# Allegro board LAY-27392_C.brd (continued)
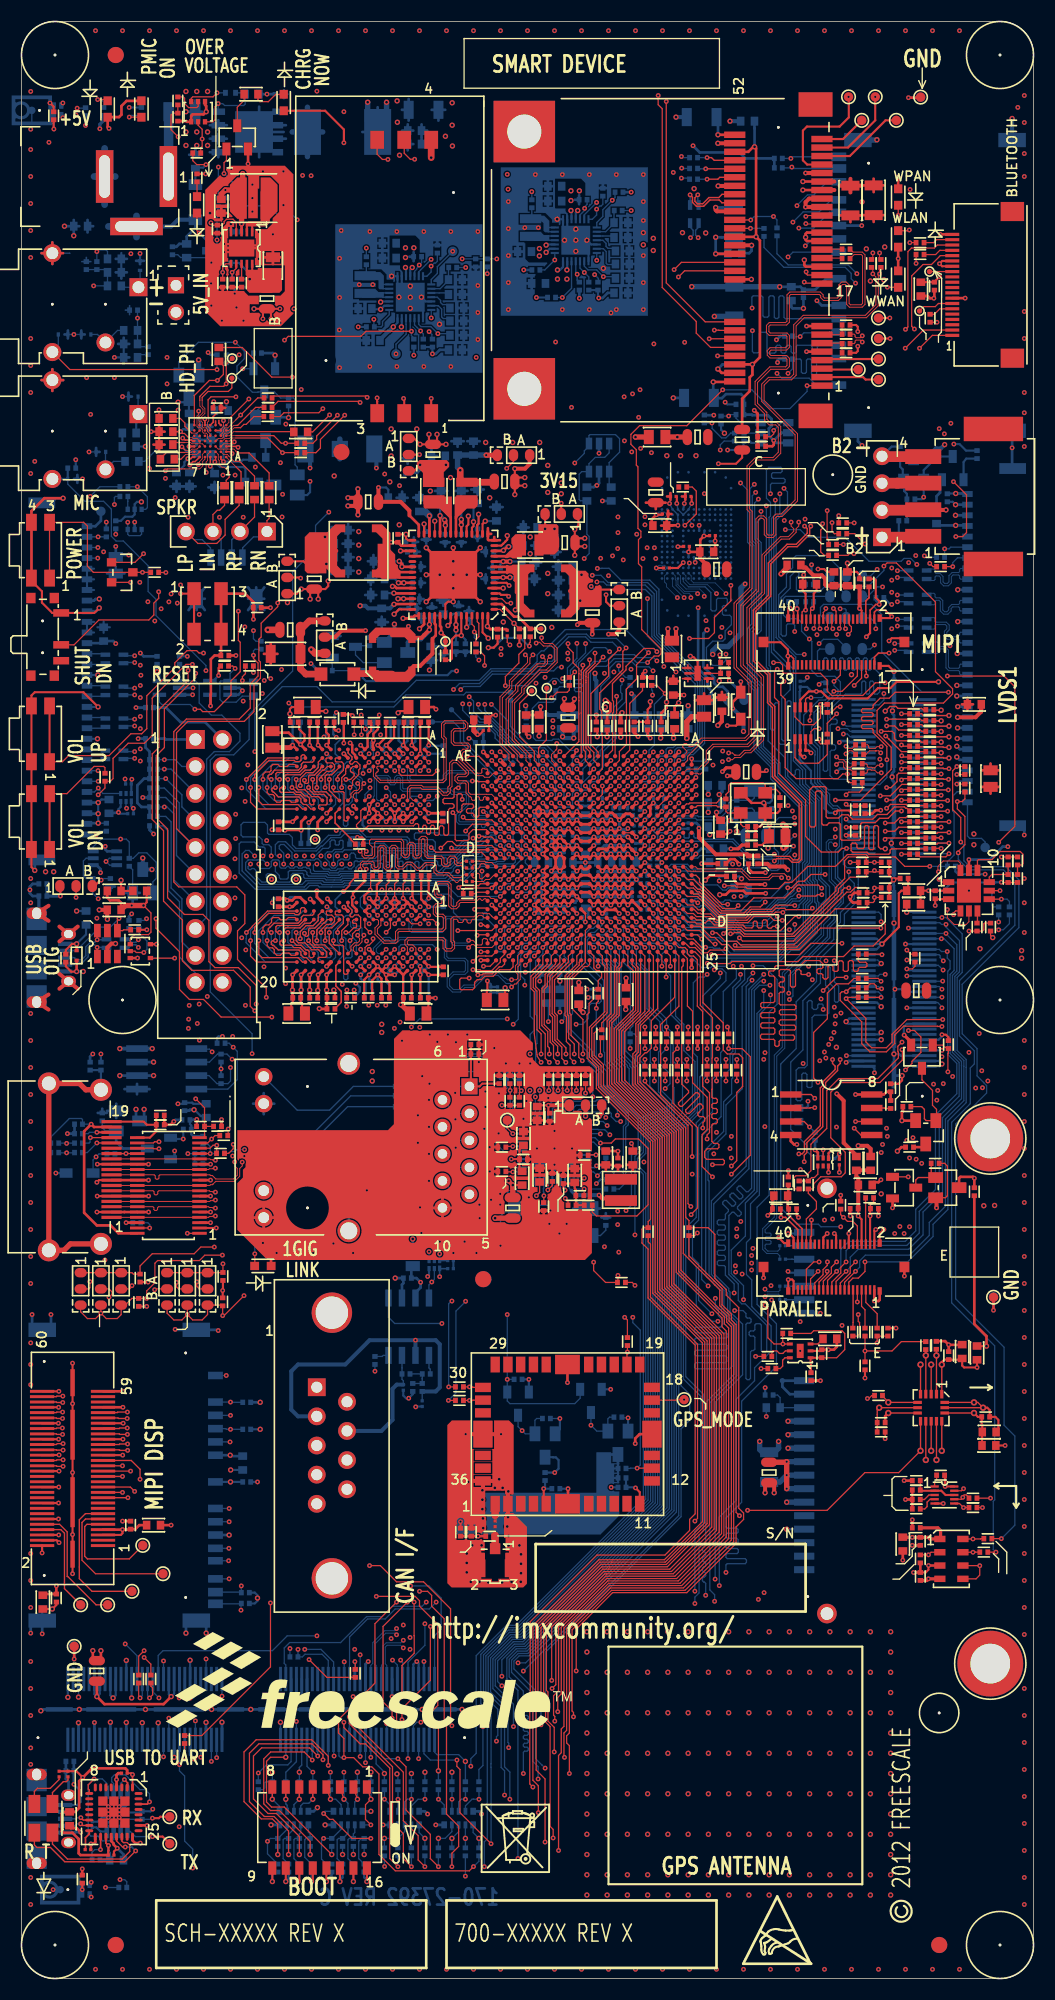
[diagram p0: board, top side]
## Routing (per net, layer and track width the routed paths; a pad name or vN(x,y) marks a point on that pad's centre or on a via; arc(x,y) is an arc through that point) (continued)
DSP0_DAT19: length 96.8
  TOP w0.127: v1(81.33,116.91) 81.63,116.61 81.63,116.61 82.8,115.44 R57.1
  TOP w0.178: U1.U23 v1(49.87,97.01)
  L3_INT_1 w0.114: v1(81.33,116.91) 81.62,117.2 81.62,117.21 82.11,117.7 82.54,117.7 82.64,117.6 83.52,117.6 83.93,117.19 83.93,117.03 83.76,116.86 83.76,116.7 83.92,116.54 84.08,116.54 84.25,116.71 84.41,116.71 84.57,116.54 84.57,116.38 84.4,116.21 84.4,116.05 84.57,115.89 84.73,115.89 84.9,116.06 85.06,116.06 85.23,115.89 85.23,115.39 85.04,115.2 84.9,115.2 83.23,116.87 83.23,117.09 82.96,117.35 82.64,117.35 81.29,116 81.29,115.21 81.41,115.09 81.67,115.09 82.2,114.55 82.2,113.89 82.07,113.77 81.84,113.77 81.74,113.87 81.74,114.12 81.61,114.25 81.42,114.25 81.29,114.12 81.29,113.29 81.05,113.04 80.67,113.04 80.49,113.22 80.49,113.41 80.38,113.53 80.22,113.53 80.04,113.35 80.04,113.19 80.11,113.12 80.11,112.96 79.95,112.79 79.79,112.79 79.72,112.86 79.56,112.86 79.4,112.7 79.4,112.54 79.47,112.47 79.47,112.31 79.3,112.15 79.14,112.15 79.07,112.22 78.91,112.22 78.67,111.97 78.67,101.44 77.34,100.11 77.34,100.11 74.67,97.44 74.67,94.28 74.81,94.14 74.81,93.82 74.39,93.4 74.39,90.7 75.32,89.78 75.32,87.63 75.56,87.38 v1(75.56,87.18)
  L6_INT_2 w0.114: v1(49.87,97.01) 49.87,96.73 49.73,96.6 49.57,96.6 49.45,96.48 49.45,96.32 49.54,96.23 50.29,96.23 50.65,95.88 50.65,95.63 50.39,95.38 50.39,94.87 50.65,94.61 50.65,94.41 50.52,94.28 50.11,94.28 49.99,94.41 49.99,95.71 49.86,95.83 49.63,95.83 49.5,95.71 49.5,94.06 49.86,93.7 49.86,93.3 49.61,93.04 49.61,92.84 49.78,92.66 49.78,91.44 49.9,91.32 50.18,91.32 50.29,91.43 50.29,93.21 50.39,93.32 50.55,93.32 50.65,93.21 50.65,91.81 51.22,91.25 52.18,91.25 52.4,91.03 52.4,90.75 53.15,90 56.3,90 57.51,88.8 58.3,88.8 58.52,89.01 58.94,89.01 59.13,88.82 59.24,88.82 59.42,89 67.7,89 68.76,87.94 70.3,87.94 71.1,87.14 74.04,87.14 74.29,86.89 74.47,86.89 74.76,87.18 v1(75.56,87.18)
DSP0_DAT20: length 93.1
  TOP w0.127: R56.1 82.93,115.95 82.82,116.07 v1(82.8,116.07)
  TOP w0.178: U1.U22 50.27,98.21 v1(49.87,97.81)
  L3_INT_1 w0.114: v1(75.69,86.61) 75.95,86.87 75.95,87.37 75.53,87.78 75.53,89.87 74.61,90.79 74.61,93.31 75.03,93.73 75.03,94.23 74.89,94.36 74.89,97.35 77.56,100.02 77.56,100.02 78.89,101.35 78.89,111.7 79.04,111.86 79.48,111.86 79.71,112.09 79.71,112.34 79.86,112.5 80.11,112.5 80.44,112.83 80.87,112.83 80.92,112.78 80.92,112.57 81.05,112.44 81.4,112.44 81.51,112.55 81.51,113.46 81.58,113.54 81.8,113.54 81.86,113.47 82.26,113.47 82.42,113.63 82.42,114.94 82.31,115.05 82.08,115.05 81.97,115.16 81.97,115.39 81.86,115.49 81.86,115.67 81.97,115.77 82.35,115.77 82.43,115.85 82.43,116.05 82.16,116.32 82.16,116.39 82.39,116.63 82.59,116.63 82.64,116.58 82.71,116.51 82.95,116.51 83.39,116.08 83.39,115.93 83.31,115.85 83.02,115.85 v1(82.8,116.07)
  L6_INT_2 w0.114: v1(75.69,86.61) 75.56,86.74 75.29,86.74 75.1,86.93 74.9,86.93 74.8,86.82 74.8,86.74 74.65,86.59 74.29,86.59 73.95,86.93 71.01,86.93 70.21,87.73 68.56,87.73 67.54,88.75 59.48,88.75 59.3,88.58 59.06,88.58 58.85,88.8 58.61,88.8 58.39,88.58 57.42,88.58 56.21,89.79 53.06,89.79 52.09,90.75 52.09,90.93 51.99,91.03 51.13,91.03 50.84,91.32 50.51,91.32 50.05,90.86 49.68,90.86 49.51,91.03 49.51,92.13 49.44,92.2 49.34,92.2 49.26,92.13 49.26,90.59 49.19,90.52 49.09,90.52 49.02,90.59 49.02,92.13 48.95,92.2 48.85,92.2 48.78,92.13 48.78,90.59 48.71,90.52 48.61,90.52 48.54,90.59 48.54,92.13 48.47,92.2 48.37,92.2 48.3,92.13 48.3,90.59 48.23,90.52 47.99,90.52 47.84,90.67 47.84,92.48 48.83,93.47 48.94,93.47 49.28,93.81 49.28,95.78 49.15,95.91 48.99,95.91 48.87,95.78 48.87,94.34 48.77,94.24 48.63,94.24 48.48,94.39 48.48,95.88 48.65,96.05 48.65,96.43 48.74,96.52 49.12,96.52 49.45,96.85 49.45,97.16 49.87,97.57 v1(49.87,97.81)
DSP0_DAT21: length 95.8
  TOP w0.119: U1.T20 51.07,99.81 v1(50.67,99.41)
  TOP w0.127: R54.1 84.68,116.33 84.55,116.46 82.37,116.46 82.14,116.69 82.14,117.14 81.94,117.35 v1(80.9,117.35)
  L3_INT_1 w0.114: v1(74.07,95.25) 74.07,95.33 74.24,95.5 74.24,95.68 73.94,95.99 73.94,96.14 74.24,96.44 74.24,97.62 76.69,100.07 76.69,100.39 77.43,101.13 77.43,102.85 77.6,103.02 77.9,103.02 78.02,103.14 78.02,103.36 77.9,103.48 77.6,103.48 77.46,103.61 77.46,104.3 77.67,104.5 77.67,104.76 77.47,104.95 77.47,105.19 78.24,105.96 78.24,112.15 79.95,113.86 79.95,114.5 80.06,114.61 80.13,114.61 80.24,114.72 80.24,114.87 80.13,114.98 80.06,114.98 79.95,115.09 79.95,115.24 80.06,115.35 80.26,115.35 80.37,115.46 80.37,115.61 80.26,115.72 80.06,115.72 79.95,115.82 79.95,116.22 80.08,116.35 80.77,116.35 80.87,116.46 80.87,116.62 80.77,116.72 79.96,116.72 79.83,116.85 79.83,117.22 79.96,117.35 v1(80.9,117.35)
  L6_INT_2 w0.114: v1(74.07,95.25) 74.07,95.93 73.9,96.1 73.9,97.77 73.9,98.29 73.74,98.45 73.74,106.43 73.61,106.55 73.29,106.55 73.16,106.43 73.16,106.3 72.96,106.1 72.36,106.1 72.24,105.98 72.24,105.36 72.36,105.23 72.97,105.23 73.16,105.05 73.16,102.99 72.76,102.6 72.76,101.82 72.62,101.68 72.62,101.48 72.75,101.35 73.18,101.35 73.3,101.23 73.3,100.58 73.18,100.46 72.64,100.46 72.52,100.33 72.52,99.75 72.69,99.57 72.97,99.57 72.99,99.55 73.28,99.55 73.41,99.43 73.41,98.63 73.28,98.5 72.62,98.5 72.42,98.3 72.42,98.3 72.14,98.01 72.14,93.45 72.65,92.93 72.65,91.96 72.42,91.74 69.52,91.74 68.09,93.16 63.2,93.16 61.54,94.82 60.86,94.82 60.68,95 60.68,95.41 60.68,95.41 60.68,95.78 60.05,96.42 56.92,96.42 56.65,96.69 56.65,97.97 56.43,98.2 56.13,98.2 55.85,98.47 55.85,101.22 55.68,101.4 52.91,101.4 51.85,100.35 51.85,100.05 51.63,99.82 51.08,99.82 v1(50.67,99.41)
DSP0_DAT22: length 96.1
  TOP w0.119: U1.V24 49.07,96.21 49.07,95.42 47.95,94.3 47.95,93.16 48.26,92.85 48.26,88.9 48.52,86.93 48.55,86.77 v1(48.91,86.22)
  TOP w0.127: R52.1 v1(82.8,116.97)
  L3_INT_1 w0.114: v1(82.8,116.97) 85.22,114.55 85.22,106.81 86.96,105.07 86.96,102.22 86.09,101.35 85.82,101.35 85.47,101 85.47,97.53 84.93,96.99 84.93,85.06 83.77,83.9 83.77,82.47 84.71,81.53 v1(84.71,76.71)
  L6_INT_2 w0.114: v1(84.71,76.71) 84.42,76.42 79.79,76.42 79.25,76.96 75.03,76.96 74.01,77.99 68.95,77.99 66.42,80.52 58.64,80.52 56.51,82.65 54.64,82.65 53.26,84.03 50.68,84.03 48.91,85.8 v1(48.91,86.22)
DSP0_DAT23: length 96.2
  TOP w0.127: R51.1 84.71,117.35 84.58,117.47 82.55,117.47 82.17,117.86 v1(81.41,117.86)
  TOP w0.178: U1.W24 v1(48.27,96.21)
  L3_INT_1 w0.114: v1(75.12,86.36) 75.1,86.38 75.1,89.69 74.18,90.61 74.18,93.6 73.68,94.09 73.68,96.4 73.8,96.52 73.91,96.52 74.03,96.63 74.03,96.86 73.91,96.98 73.8,96.98 73.68,97.09 73.68,97.36 76.48,100.16 76.48,100.48 77.21,101.22 77.21,105.28 78.02,106.09 78.02,106.58 77.87,106.73 77.67,106.73 77.58,106.82 77.58,107.05 77.67,107.14 77.8,107.14 78.02,107.36 78.02,109.35 77.9,109.47 77.67,109.47 77.58,109.57 77.58,110 77.67,110.1 77.85,110.1 77.98,110.24 77.98,110.65 77.88,110.76 77.88,111.11 78.02,111.26 78.02,112.06 78.02,112.24 79.73,113.95 79.73,115.85 79.53,116.06 78.35,116.06 77.75,116.67 77.75,117.65 79.78,119.69 80.74,119.69 80.87,119.56 80.87,119.35 80.77,119.25 79.93,119.25 79.81,119.13 79.81,118.9 79.93,118.77 80.85,118.77 80.98,118.64 80.98,118.44 80.85,118.31 79.73,118.31 79.53,118.52 79.27,118.52 78.04,117.29 78.04,116.78 78.38,116.43 79.4,116.43 79.53,116.56 79.53,116.74 79.4,116.87 78.61,116.87 78.51,116.97 78.51,117.09 79.28,117.86 80.87,117.86 80.87,117.86 v1(81.41,117.86)
  L6_INT_2 w0.114: v1(75.12,86.36) 74.21,86.36 73.86,86.71 70.92,86.71 70.12,87.51 68.47,87.51 67.45,88.54 59.57,88.54 59.39,88.37 57.33,88.37 56.12,89.57 52.97,89.57 52,90.54 49.52,90.54 49.28,90.3 47.9,90.3 47.62,90.58 47.62,91.22 47.52,91.33 47,91.33 46.89,91.43 46.89,91.59 47,91.69 47.52,91.69 47.62,91.8 47.62,92.66 48.27,93.3 v1(48.27,96.21)
EIM_A16: length 156.2
  TOP w0.119: v1(49.94,27.3) 50.29,27.66 50.29,33.18 54.98,37.87 61.49,37.87 65.66,42.04 65.66,60.49 60.96,65.19 60.96,79.41 56,84.36 56,89.29 57.8,91.09 57.8,95.06 57.47,95.39 U1.H25
  L3_INT_1 w0.114: v1(14.86,14.3) 14.86,17.7 13.87,18.69 13.87,21.64 14.86,22.63 v1(14.86,26.42)
  L6_INT_2 w0.114: v1(49.94,27.3) 45.73,27.3 45.58,27.15 44.17,27.15 43.84,27.48 15.93,27.48 v1(14.86,26.42) ; v1(14.86,14.3) 17.06,12.1 26.44,12.1 26.72,11.81 26.72,11.53 27.08,11.18 33.57,11.18 v1(34.18,10.56)
  BOTTOM w0.119: v1(14.86,26.42) 14.86,28.17 J508.43 ; v1(34.18,10.56) 34.16,10.58 R710.2
EIM_A17: length 134.3
  TOP w0.119: v1(35.43,10.54) 34.67,11.3 34.67,19.81 32.38,22.1 31.88,22.1 30.35,23.62 v1(30.35,24.13) ; v1(50.55,12.07) 50.55,21.01 50.8,21.26 50.8,23.5 51.05,23.75 51.05,33 55.26,37.21 61.97,37.21 66.32,41.56 66.32,60.93 65.92,61.33 65.92,62.16 61.62,66.46 61.62,79.68 56.77,84.53 56.77,89.12 58.67,91.02 58.67,96.21 U1.G24
  L6_INT_2 w0.114: v1(35.43,10.54) 36.45,11.56 44.2,11.56 44.7,12.07 v1(50.55,12.07)
  BOTTOM w0.119: J508.86 30.35,22.51 v1(30.35,24.13) ; R709.2 v1(35.43,10.54)
EIM_A18: length 125.9
  TOP w0.119: v1(30.86,24.64) 30.86,24 34.92,19.94 34.92,14.66 35.94,13.65 35.94,11.3 v1(36.7,10.54)
  TOP w0.178: v1(57.07,97.81) U1.J22
  L6_INT_2 w0.114: v1(36.7,10.54) 37.47,11.31 v1(46.73,11.31)
  BOTTOM w0.119: v1(46.73,11.31) 46.73,27.13 45.67,28.18 45.67,28.21 45.68,28.22 45.68,30.15 46.57,31.04 47.48,31.04 60.75,44.31 60.75,81.06 60.75,82.32 59.13,83.94 59.13,85.48 58.22,86.39 58.22,94.96 57.48,95.7 57.48,97.21 57.07,97.62 v1(57.07,97.81) ; v1(30.86,24.64) 30.86,22.5 J508.88 ; R708.2 v1(36.7,10.54)
EIM_A19: length 124.3
  TOP w0.119: v1(50.47,25.12) 50.47,26.47 50.8,26.8 50.8,33.06 55.17,37.43 61.81,37.43 66.1,41.72 66.1,60.67 61.4,65.37 61.4,79.59 56.48,84.51 56.48,89.15 58.27,90.93 U1.G25 ; v1(31.38,24.13) 31.38,23.99 35.94,19.43 35.94,14.86 37.34,13.46 37.34,11.18 v1(37.97,10.54)
  L6_INT_2 w0.114: v1(31.38,24.13) 32.15,24.9 49.83,24.9 50.06,25.12 v1(50.47,25.12)
  BOTTOM w0.119: J508.90 v1(31.38,24.13) ; R707.2 v1(37.97,10.54)
EIM_A20: length 111.4
  TOP w0.178: v1(57.87,97.81) U1.H22
  L3_INT_1 w0.114: v2(37.97,19.43) 36.7,18.16 33.66,18.16 32.8,19.02 32.72,19.02 31.88,19.86 v1(31.88,20.91)
  L6_INT_2 w0.114: v1(49.28,19.81) 49.28,19.8 46.98,19.8 45.97,18.8 38.23,18.8 37.97,19.05 v2(37.97,19.43)
  BOTTOM w0.119: v1(49.28,19.81) 48.99,20.11 48.98,20.11 48.39,20.7 48.39,27.11 46.35,29.15 46.35,29.88 46.84,30.38 47.75,30.38 61.41,44.04 61.41,80.79 61.41,80.79 61.41,81.89 61.41,81.89 61.41,83.83 61.32,83.92 61.32,85.83 61.1,86.05 61.1,88.46 60.32,89.24 60.32,90.22 59.08,91.45 59.08,95.03 59.08,95.04 59.08,97.15 58.83,97.4 58.43,97.4 58.02,97.81 v1(57.87,97.81) ; J508.92 v1(31.88,20.91)
  BOTTOM w0.127: R682.2 v2(37.97,19.43)
EIM_A21: length 110.5
  TOP w0.178: v1(57.87,97.01) U1.H23
  L3_INT_1 w0.114: v1(32.38,20.33) 33.72,20.33 34.58,19.48 34.58,19.4 35.12,18.85 36.25,18.85 v2(36.7,19.3)
  L6_INT_2 w0.114: v2(36.7,19.3) 36.7,18.8 36.96,18.54 46.48,18.54 47.24,19.3 v1(47.24,19.3)
  BOTTOM w0.119: v1(57.87,97.01) 57.87,95.62 58.64,94.85 58.64,90.71 59.17,90.18 59.17,86.23 59.95,85.45 59.95,84.29 59.94,84.28 59.94,83.44 60.97,82.42 60.97,81.7 60.97,81.7 60.97,80.97 60.97,80.97 60.97,44.22 47.57,30.82 46.66,30.82 45.9,30.06 45.9,28.39 47.24,27.06 47.24,25.63 47.34,25.52 47.59,25.52 47.7,25.41 47.7,25.25 47.59,25.14 47.34,25.14 47.24,25.04 47.24,24.88 47.34,24.77 47.59,24.77 47.7,24.66 47.7,24.51 47.59,24.4 47.34,24.4 47.24,24.29 47.24,24.13 47.34,24.02 47.59,24.02 47.7,23.92 47.7,23.76 47.59,23.65 47.34,23.65 47.24,23.54 47.24,23.39 47.34,23.28 47.59,23.28 47.7,23.17 47.7,23.01 47.59,22.9 47.34,22.9 47.24,22.79 47.24,22.64 47.34,22.53 47.59,22.53 47.7,22.42 47.7,22.27 47.59,22.16 47.34,22.16 47.24,22.05 47.24,21.89 47.34,21.78 47.59,21.78 47.7,21.67 47.7,21.52 47.59,21.41 47.34,21.41 47.24,21.3 v1(47.24,19.3) ; J508.94 v1(32.38,20.33)
  BOTTOM w0.127: R683.2 v2(36.7,19.3)
EIM_A22: length 115.5
  TOP w0.119: U1.F24 59.47,96.21 59.47,91.19 58.04,89.76 58.04,87.15 57.76,86.87 57.76,84.17 62.06,79.87 62.06,66.65 66.36,62.35 66.36,61.78 66.8,61.34 66.8,41.27 62.29,36.76 55.44,36.76 51.56,32.88 51.56,23.11 51.31,22.86 51.31,22.18 51.56,21.93 v1(51.56,19.3)
  L3_INT_1 w0.114: v1(32.88,20.83) 33.78,20.83 v2(35.34,19.27)
  L6_INT_2 w0.114: v1(51.56,19.3) 47.79,19.3 46.78,18.29 35.56,18.29 35.34,18.5 v2(35.34,19.27)
  BOTTOM w0.119: J508.96 v1(32.88,20.83)
  BOTTOM w0.127: v2(35.34,19.27) 35.43,19.18 R684.2
EIM_A23: length 110.2
  TOP w0.178: v1(57.07,98.61) U1.J21
  L6_INT_2 w0.114: v1(48.62,18.8) 47.75,18.8 47.03,18.07 34.51,18.07 34.16,18.41 v2(34.16,19.3)
  BOTTOM w0.119: v2(34.16,19.3) 34.16,19.43 33.38,20.21 J508.98 ; v1(57.07,98.61) 57.48,98.2 57.48,97.63 57.71,97.4 58.03,97.4 58.26,97.17 58.26,95.55 58.86,94.94 58.86,91.25 60.08,90.03 60.08,87.3 59.95,87.17 59.95,85.89 60.19,85.65 60.19,83.58 61.19,82.58 61.19,81.8 61.19,44.13 47.66,30.6 46.75,30.6 46.13,29.97 46.13,28.82 48.11,26.84 48.11,20.47 48.62,19.96 v1(48.62,18.8)
  BOTTOM w0.127: R685.2 v2(34.16,19.3)
EIM_A24: length 121.6
  TOP w0.119: v1(39.24,10.54) 38.48,11.3 38.48,13.59 36.2,15.88 36.2,19.94 v1(35.43,20.7) ; v1(51.1,20.83) 51.05,20.88 51.05,23.11 51.31,23.37 51.31,32.94 55.35,36.98 62.13,36.98 66.55,41.4 66.55,61.21 66.14,61.62 66.14,62.25 61.84,66.56 61.84,79.77 57.53,84.08 57.53,86.99 57.82,87.28 57.82,89.85 59.07,91.1 U1.F25
  L6_INT_2 w0.114: v1(35.43,20.7) 35.84,21.11 49.33,21.11 49.61,20.83 v1(51.1,20.83)
  BOTTOM w0.119: J508.100 33.88,20.98 34.16,20.7 v1(35.43,20.7) ; R706.2 v1(39.24,10.54)
EIM_A25: length 110.4
  TOP w0.119: R138.2 v1(66.29,86.49)
  TOP w0.178: v1(57.87,100.21) U1.H19
  L3_INT_1 w0.114: v1(57.87,100.21) 58.28,99.8 58.83,99.8 59.05,99.57 59.05,98.45 59.31,98.2 59.63,98.2 59.85,97.97 59.85,97.65 60.11,97.4 60.43,97.4 60.65,97.17 60.65,96.65 60.48,96.48 59.88,95.87 59.88,93.66 61.89,91.65 63.52,91.65 65.12,90.05 65.12,87.15 65.4,86.87 65.91,86.87 v1(66.29,86.49) 65.41,85.6 64.77,85.6 64.08,84.91 64.08,82.87 61.84,80.63 61.84,72.71 61.77,72.64 61.77,67.23 58.29,63.75 43.81,63.75 42.94,62.88 39.89,62.88 39.36,62.88 39.16,62.68 39.14,62.68 38.54,62.08 38.54,62.06 38.35,61.88 38.35,40.26 38.25,40.15 37.42,40.15 37.31,40.04 37.31,39.89 37.42,39.78 38.25,39.78 38.35,39.68 38.35,39.52 38.25,39.42 37.42,39.42 37.31,39.31 37.31,39.15 37.42,39.05 38.25,39.05 38.35,38.94 38.35,38.79 38.25,38.68 37.42,38.68 37.31,38.57 37.31,38.42 37.42,38.31 38.25,38.31 38.35,38.2 38.35,38.05 38.25,37.94 37.42,37.94 37.31,37.83 37.31,37.68 37.42,37.57 38.25,37.57 38.35,37.47 38.35,36.54 37.5,35.68 37.5,34.59 37.97,34.11 v1(37.97,33.39)
  BOTTOM w0.119: J508.109 36.38,29.78 37.97,31.37 v1(37.97,33.39)
EIM_BCLK: length 105.2
  TOP w0.119: v1(37.59,24.13) 39.18,25.72 39.18,33.34 37.46,35.05 37.46,35.56 37.05,35.97 v1(33.4,35.97) ; R122.2 v1(59.69,89.53)
  TOP w0.178: v1(53.87,97.81) U1.N22
  L3_INT_1 w0.114: v1(33.4,35.97) 33.78,36.35 33.78,46.99 34.8,48.01 34.8,61.27 38.26,64.73 38.96,64.73 40.45,66.22 54.81,66.22 55.78,67.18 56.01,67.18 59.61,70.78 59.61,73.54 59.68,73.61 59.68,81.9 59.95,82.18 59.95,85.7 60.08,85.83 60.08,87.88 59.69,88.27 v1(59.69,89.53) 59.69,90.18 56.93,92.94 56.21,92.94 54.84,94.32 54.84,95.66 54.25,96.24 54.25,97.42 v1(53.87,97.81)
  BOTTOM w0.119: J508.112 36.88,23.8 37.21,24.13 v1(37.59,24.13)
EIM_CS0: length 110.6
  TOP w0.119: v1(50.19,24.23) 50.19,24.68 50.08,24.79 50.08,26.64 50.55,27.1 50.55,33.12 55.08,37.65 61.65,37.65 65.88,41.88 65.88,60.58 61.18,65.28 61.18,79.5 56.26,84.42 56.26,89.24 58.02,91 58.02,95.15 57.87,95.31 57.87,96.21 U1.H24
  L6_INT_2 w0.114: v1(50.19,24.23) 50.77,23.65 53.62,23.65 53.8,23.47 53.8,22.91 53.59,22.7 53.39,22.7 53.38,22.7 53.04,22.7 53.04,22.7 49.84,22.7 49.3,23.24 49.3,24.08 49.05,24.33 39.01,24.33 38.8,24.12 v1(38.38,24.12)
  BOTTOM w0.119: J508.118 v1(38.38,24.12)
EIM_CS1: length 110.8
  TOP w0.178: v1(57.07,97.01) U1.J23
  L6_INT_2 w0.114: v1(45.21,28.45) 22.98,28.45 21.35,30.08 19.37,30.08 19.26,29.98 19.26,29.42 19.15,29.31 19,29.31 18.89,29.42 18.89,29.98 18.78,30.08 18.63,30.08 18.52,29.98 18.52,29.42 18.41,29.31 18.26,29.31 18.15,29.42 18.15,29.98 18.05,30.08 v1(17.38,30.08)
  BOTTOM w0.119: v1(57.07,97.01) 57.07,95.8 57.53,95.33 57.53,89.64 57.28,89.38 R627.2 57.66,88.89 57.91,88.65 57.91,86.33 58.28,85.96 58.28,84.29 60.53,82.05 60.53,81.52 60.53,81.52 60.53,81.16 60.53,81.15 60.53,44.4 47.39,31.26 46.48,31.26 45.21,30 v1(45.21,28.45) ; J508.53 v1(17.38,30.08)
EIM_D16: length 111
  TOP w0.119: v1(31.38,29.83) 31.42,29.79 R218.2 ; U1.C25 61.47,92.33 59.27,90.14 59.27,87.55 58.84,87.11 58.7,87.11 58.2,86.61 58.2,84.36 62.5,80.05 62.5,71.63 62.81,71.32 R168.2 64.62,70.66 65.25,70.03 65.25,65.89 65.76,65.38 65.88,65.27 66.32,64.82 66.32,64.31 67.5,63.13 67.5,44.26 67.95,43.81 67.95,43.21 67.24,42.5 67.24,40.95 62.61,36.32 55.63,36.32 52.21,32.9 v1(52.21,28.96)
  L6_INT_2 w0.114: v1(31.38,29.83) 32.26,28.96 43.43,28.96 43.81,29.33 48.76,29.33 48.87,29.44 48.87,29.86 48.98,29.97 49.13,29.97 49.24,29.86 49.24,29.44 49.35,29.33 49.5,29.33 49.61,29.44 49.61,29.86 49.71,29.97 49.87,29.97 49.97,29.86 49.97,29.44 50.08,29.33 50.23,29.33 50.34,29.44 50.34,29.86 50.45,29.97 50.6,29.97 50.71,29.86 50.71,29.44 50.82,29.33 51.06,29.33 51.43,28.96 v1(52.21,28.96)
  BOTTOM w0.119: J508.89 v1(31.38,29.83)
EIM_D17: length 98
  TOP w0.178: U1.F21 v1(59.47,98.61)
  L6_INT_2 w0.114: v1(47.24,28.94) 47.22,28.96 43.81,28.96 43.56,28.7 31.5,28.7 v1(30.38,29.81)
  BOTTOM w0.119: J508.85 v1(30.38,29.81) ; v1(59.47,98.61) 59.47,98.36 59.86,97.97 59.86,97.62 60.07,97.41 60.42,97.41 60.66,97.18 60.66,96.77 60.2,96.32 60.2,95.87 60.66,95.41 60.66,94.8 61.06,94.4 61.06,94.39 61.09,94.36 61.09,90.72 62.11,89.7 62.11,86.33 63.14,85.29 63.14,81.9 61.85,80.6 61.85,43.56 47.53,29.24 47.53,29.24 v1(47.24,28.94)
EIM_D18: length 102
  TOP w0.119: U1.D24 61.07,96.21 v1(61.07,95.25)
  TOP w0.127: R129.2 66.55,89.41 66.43,89.53 v1(66.43,89.53)
  L3_INT_1 w0.114: v1(39.03,35.43) 39.03,37.88 39.08,37.93 39.08,61.69 39.19,61.79 39.19,61.81 39.41,62.03 39.43,62.03 39.62,62.23 43.21,62.23 43.97,62.99 59.05,62.99 62.41,66.35 62.41,72.37 62.48,72.44 62.48,79.2 66.9,83.62 66.9,84.79 67.71,85.59 67.71,86.95 66.43,88.22 v1(66.43,89.53) 66.42,89.54 66.42,89.66 66.14,89.95 66.14,89.95 63.79,92.3 62.16,92.3 61.07,93.39 v1(61.07,95.25)
  BOTTOM w0.119: v1(39.03,35.43) 38.39,34.79 35.18,34.79 34.24,33.85 32.58,33.85 30.88,32.15 J508.87
EIM_D19: length 111.6
  TOP w0.119: R123.2 v1(60.71,89.53)
  TOP w0.178: U1.G21 v1(58.67,98.61)
  L6_INT_2 w0.114: v1(31.88,30.47) 31.88,29.97 32.52,29.34 38.83,29.34 38.94,29.44 38.94,30.6 39.05,30.71 39.2,30.71 39.31,30.6 39.31,29.44 39.41,29.34 39.57,29.34 39.67,29.44 39.67,30.6 39.78,30.71 39.93,30.71 40.04,30.6 40.04,29.44 40.15,29.34 40.3,29.34 40.41,29.44 40.41,30.6 40.52,30.71 40.67,30.71 40.78,30.6 40.78,29.44 40.89,29.34 41.04,29.34 41.15,29.44 41.15,30.6 41.26,30.71 41.41,30.71 41.52,30.6 41.52,29.44 41.62,29.34 41.78,29.34 41.88,29.44 41.88,30.6 41.99,30.71 42.14,30.71 42.25,30.6 42.25,29.44 42.36,29.34 42.51,29.34 42.62,29.44 42.62,30.6 42.73,30.71 42.88,30.71 42.99,30.6 42.99,29.44 43.1,29.34 43.43,29.34 43.81,29.72 v1(46.74,29.72)
  BOTTOM w0.119: J508.91 v1(31.88,30.47) ; v1(58.67,98.61) 59.06,98.22 59.06,97.66 59.31,97.41 59.44,97.41 59.45,97.4 59.63,97.4 59.88,97.15 59.88,91.13 60.71,90.3 v1(60.71,89.53) 61.33,88.91 61.33,86.32 62.2,85.45 62.2,81.47 61.63,80.9 61.63,80.7 61.63,43.9 47.45,29.72 v1(46.74,29.72)
EIM_D20: length 118
  TOP w0.178: v1(58.67,99.41) U1.G20
  L6_INT_2 w0.114: v1(45.21,27.56) 44.36,27.56 44.07,27.85 14.39,27.85 v1(12.95,26.42)
  BOTTOM w0.119: J508.33 12.38,26.99 v1(12.95,26.42) ; v1(58.67,99.41) 58.28,99.02 56.91,99.02 56.66,98.77 56.66,95.6 57.31,94.95 57.31,90.08 56.86,89.62 56.86,87.3 57.69,86.47 57.69,86.06 57.99,85.76 57.99,84.27 60.3,81.96 60.3,44.49 47.29,31.48 46.39,31.48 44.81,29.91 44.81,27.96 v1(45.21,27.56)
EIM_D21: length 13.7
  TOP w0.119: R125.2 v1(62.74,89.53)
  TOP w0.178: v1(57.87,99.41) U1.H20
  L3_INT_1 w0.114: v1(62.74,89.53) 62.74,89.95 62.33,90.35 61.35,90.35 58.42,93.29 58.42,96.39 58.25,96.56 58.25,99.02 v1(57.87,99.41)
EIM_D22: length 15.3
  TOP w0.127: R137.2 v1(65.41,86.49)
  TOP w0.178: U1.E23 v1(60.27,97.01)
  L3_INT_1 w0.114: v1(65.41,86.49) 65.41,86.54 64.9,87.04 64.9,89.96 63.43,91.43 61.8,91.43 59.66,93.57 59.66,95.96 60.27,96.57 v1(60.27,97.01)
EIM_D23: length 111.2
  TOP w0.119: v1(60.67,94.23) U1.D25
  TOP w0.127: R139.2 67.32,85.84 v1(67.32,86.48)
  L3_INT_1 w0.114: v1(38.1,35.43) 38.81,36.15 38.81,37.97 38.87,38.02 38.87,61.6 38.87,61.78 38.97,61.88 38.97,61.9 39.32,62.25 39.34,62.25 39.53,62.45 39.71,62.45 39.71,62.45 43.12,62.45 43.99,63.32 58.88,63.32 62.2,66.64 62.2,72.46 62.27,72.53 62.27,80.3 63.12,81.16 63.28,81.16 63.58,80.85 63.73,80.85 63.84,80.96 63.84,81.11 63.54,81.42 63.54,81.57 63.64,81.68 63.8,81.68 64.1,81.37 64.25,81.37 64.36,81.48 64.36,81.63 64.06,81.94 64.06,82.09 64.17,82.2 64.32,82.2 64.62,81.89 64.78,81.89 64.88,82 64.88,82.16 64.58,82.46 64.58,82.61 64.69,82.72 64.84,82.72 65.14,82.42 65.3,82.42 65.4,82.52 65.4,82.68 65.1,82.98 65.1,83.13 65.21,83.24 65.36,83.24 65.66,82.94 65.82,82.94 65.93,83.05 65.93,83.2 65.62,83.5 65.62,83.66 65.79,83.83 65.79,84.72 67.31,86.23 67.31,86.47 v1(67.32,86.48) 66.71,87.09 66.3,87.09 66.14,87.26 66.14,87.76 65.92,87.97 65.92,89.86 63.7,92.08 62.07,92.08 60.67,93.48 v1(60.67,94.23)
  BOTTOM w0.119: v1(38.1,35.43) 37.71,35.04 34.92,35.04 33.95,34.07 32.48,34.07 30.04,31.62 25.25,31.62 24.74,31.12 24.74,29.67 24.88,29.53 J508.63
EIM_D24: length 12.8
  TOP w0.127: R127.2 v1(64.52,89.53)
  TOP w0.178: v1(59.47,97.81) U1.F22
  L3_INT_1 w0.114: v1(59.47,97.81) 59.47,97.56 59.85,97.17 59.85,96.46 59.45,96.05 59.45,93.48 61.71,91.22 63.25,91.22 64.52,89.95 v1(64.52,89.53)
EIM_D25: length 12.3
  TOP w0.178: v1(58.67,97.81) U1.G22
  TOP w0.254: R126.2 v1(63.63,89.53)
  L3_INT_1 w0.114: v1(58.67,97.81) 59.05,97.42 59.05,96.27 59.02,96.23 59.02,93.3 61.53,90.79 62.79,90.79 63.63,89.95 v1(63.63,89.53)
EIM_D26: length 103.1
  TOP w0.119: v1(38.5,33.14) 38.48,33.12 38.48,28.07 35.81,25.4 v1(35.81,24.38) ; U1.E24 60.27,96.21 v1(60.27,95.25)
  TOP w0.127: R128.2 v1(65.53,89.53)
  L3_INT_1 w0.114: v1(60.27,95.25) 60.27,93.58 61.98,91.87 63.61,91.87 65.36,90.12 65.36,89.71 v1(65.53,89.53) 65.53,88.05 65.92,87.66 65.92,87.17 66.21,86.87 66.45,86.87 66.74,86.59 66.74,86.36 64.9,84.53 64.9,83.39 62.05,80.54 62.05,72.62 61.98,72.55 61.98,66.94 58.59,63.54 43.9,63.54 43.03,62.66 39.8,62.66 39.8,62.66 39.44,62.66 39.25,62.46 39.23,62.46 38.75,61.99 38.75,61.97 38.61,61.83 38.61,38.07 38.6,38.06 38.6,36.48 37.71,35.59 37.71,34.68 38.5,33.89 v1(38.5,33.14)
  BOTTOM w0.119: v1(35.81,24.38) 35.38,23.95 J508.106
EIM_D27: length 110.1
  TOP w0.119: U1.E25 59.87,91.28 58.26,89.67 58.26,87.02 57.98,86.74 57.98,84.27 62.28,79.96 62.28,68.23 64.54,65.97 65.24,65.28 65.24,65.28 65.71,64.81 65.71,63.31 66.58,62.44 66.58,61.87 67.02,61.43 67.02,41.11 62.45,36.54 55.53,36.54 51.82,32.82 51.82,25.19 51.95,25.05 v1(51.95,24.64)
  L6_INT_2 w0.114: v1(51.95,24.64) 51.95,25.33 52.32,25.7 53.57,25.7 53.85,25.43 53.85,24.38 53.44,23.98 51.1,23.98 50.44,24.64 37.08,24.64 v1(36.58,24.13)
  BOTTOM w0.119: v1(36.58,24.13) 36.2,24.13 35.88,23.82 J508.108
EIM_D28: length 95.9
  TOP w0.119: R135.2 v1(62.61,86.49)
  TOP w0.178: U1.G23 v1(58.67,97.01)
  L3_INT_1 w0.114: v1(36.63,36.95) 36.63,46.27 37.88,47.52 37.88,62.2 39.12,63.43 39.5,63.43 40.97,64.9 56.64,64.9 60.9,69.16 60.9,73 60.97,73.07 60.97,80.99 63.21,83.23 63.21,85.88 v1(62.61,86.49) 63.24,87.12 63.24,89.75 62.42,90.57 61.44,90.57 58.67,93.34 v1(58.67,97.01)
  BOTTOM w0.119: J508.119 38.88,32.28 39.5,32.89 39.5,35.81 38.36,36.95 v1(36.63,36.95)
EIM_D30: length 247.1
  TOP w0.119: v1(36.32,35.43) 34.04,33.15 34.04,26.04 34.88,25.19 v1(34.88,24.51)
  TOP w0.127: R134.2 v1(61.72,86.49)
  TOP w0.178: v1(57.07,99.41) U1.J20
  L3_INT_1 w0.114: v1(36.32,35.43) 35.85,35.9 35.85,54.35 35.85,54.36 35.85,60.97 38.74,63.86 39.32,63.86 40.79,65.33 56.44,65.33 60.47,69.36 60.47,73.18 60.54,73.25 60.54,81.24 62.11,82.81 62.11,85.03 61.72,85.42 v1(61.72,86.49) 61.72,86.96 62.11,87.34 62.11,89.7 61.88,89.92 61.17,89.92 57.99,93.11 57.99,95.54 56.68,96.85 56.68,99.02 v1(57.07,99.41) ; v1(43.84,160.4) 42.72,160.4 41.35,159.03 41.35,150.01 39.22,147.88 33.83,147.88 30.25,144.3 30.25,138.35 27.71,135.81 27.71,135.36 22.99,130.63 22.99,127.41 21.97,126.39 16.28,126.39 15.19,125.3 15.19,92.91 15.95,92.15 16.28,92.15 v1(16.74,91.69)
  L6_INT_2 w0.114: v1(16.74,91.69) 17.78,91.69 18.8,90.68 20.62,90.68 21.34,89.97 32.94,89.97 33.25,90.27 34.09,90.27 34.44,89.92 34.44,89.38 34.98,88.85 37.67,88.85 38.47,89.65 42.81,89.65 43.99,90.83 46.66,90.83 47.88,89.61 51.28,89.61 51.46,89.79 v1(52.2,89.79)
  BOTTOM w0.119: v1(57.07,99.41) 56.68,99.8 54.51,99.8 54.26,99.55 54.26,99.25 53.81,98.81 53.54,98.81 52.7,97.97 52.7,95.33 54.56,93.47 54.56,91.96 54.36,91.76 53.63,91.76 53.34,91.47 53.34,90.32 52.81,89.79 v1(52.2,89.79) ; J508.104 v1(34.88,24.51) ; R728.1 v1(43.84,160.4)
EIM_D31: length 144.8
  TOP w0.119: v1(36.96,35.43) 36.96,32.27 36.97,32.26 36.97,30.62 35.81,29.46 35.81,26.42 35.31,25.91 35.31,24.13 35.18,24 v1(34.38,24)
  TOP w0.178: v1(57.87,98.61) U1.H21
  L3_INT_1 w0.114: v1(57.87,98.61) 57.48,98.22 57.48,96.85 57.71,96.62 57.72,96.62 58.2,96.14 58.2,93.2 61.26,90.14 61.97,90.14 62.33,89.79 62.33,87.12 62.1,86.9 62.1,86.65 62.11,86.65 62.11,85.85 63,84.96 63,83.32 60.76,81.08 60.76,73.16 60.69,73.09 60.69,69.27 56.53,65.11 40.88,65.11 39.41,63.65 38.83,63.65 36.06,60.88 36.06,60.63 36.17,60.52 36.59,60.52 36.7,60.41 36.7,60.26 36.59,60.15 36.17,60.15 36.06,60.05 36.06,59.89 36.17,59.79 36.59,59.79 36.7,59.68 36.7,59.52 36.59,59.42 36.17,59.42 36.06,59.31 36.06,59.16 36.14,59.07 37.05,59.07 37.15,58.97 37.15,58.81 37.05,58.71 36.2,58.71 36.06,58.57 36.06,58.42 36.14,58.34 37.05,58.34 37.15,58.23 37.15,58.08 37.05,57.97 36.2,57.97 36.06,57.84 36.06,57.68 36.14,57.6 37.02,57.6 37.13,57.49 37.13,57.34 37.02,57.23 36.2,57.23 36.06,57.1 36.06,56.95 36.14,56.86 37.02,56.86 37.13,56.76 37.13,56.6 37.02,56.5 36.2,56.5 36.06,56.36 36.06,56.21 36.14,56.13 37.02,56.13 37.13,56.02 37.13,55.87 37,55.73 36.17,55.73 36.06,55.63 36.06,54.45 36.2,54.32 36.2,52.77 36.3,52.67 36.9,52.67 37.01,52.56 37.01,52.41 36.9,52.3 36.3,52.3 36.2,52.19 36.2,52.04 36.3,51.93 36.9,51.93 37.01,51.82 37.01,51.67 36.9,51.56 36.3,51.56 36.2,51.45 36.2,51.3 36.3,51.19 36.9,51.19 37.01,51.09 37.01,50.93 36.9,50.82 36.3,50.82 36.2,50.72 36.2,50.56 36.3,50.46 36.9,50.46 37.01,50.35 37.01,50.2 36.9,50.09 36.3,50.09 36.2,49.98 36.2,49.83 36.3,49.72 36.9,49.72 37.01,49.61 37.01,49.46 36.9,49.35 36.3,49.35 36.2,49.24 36.2,49.09 36.3,48.98 36.62,48.98 36.73,48.88 36.73,48.72 36.62,48.62 36.3,48.62 36.2,48.51 36.2,36.83 36.96,36.07 v1(36.96,35.43)